# EAGLE board Mk4 Final a Panel score 2x5 (EAGLE 9.0.1), part 12 of 29 (continued)
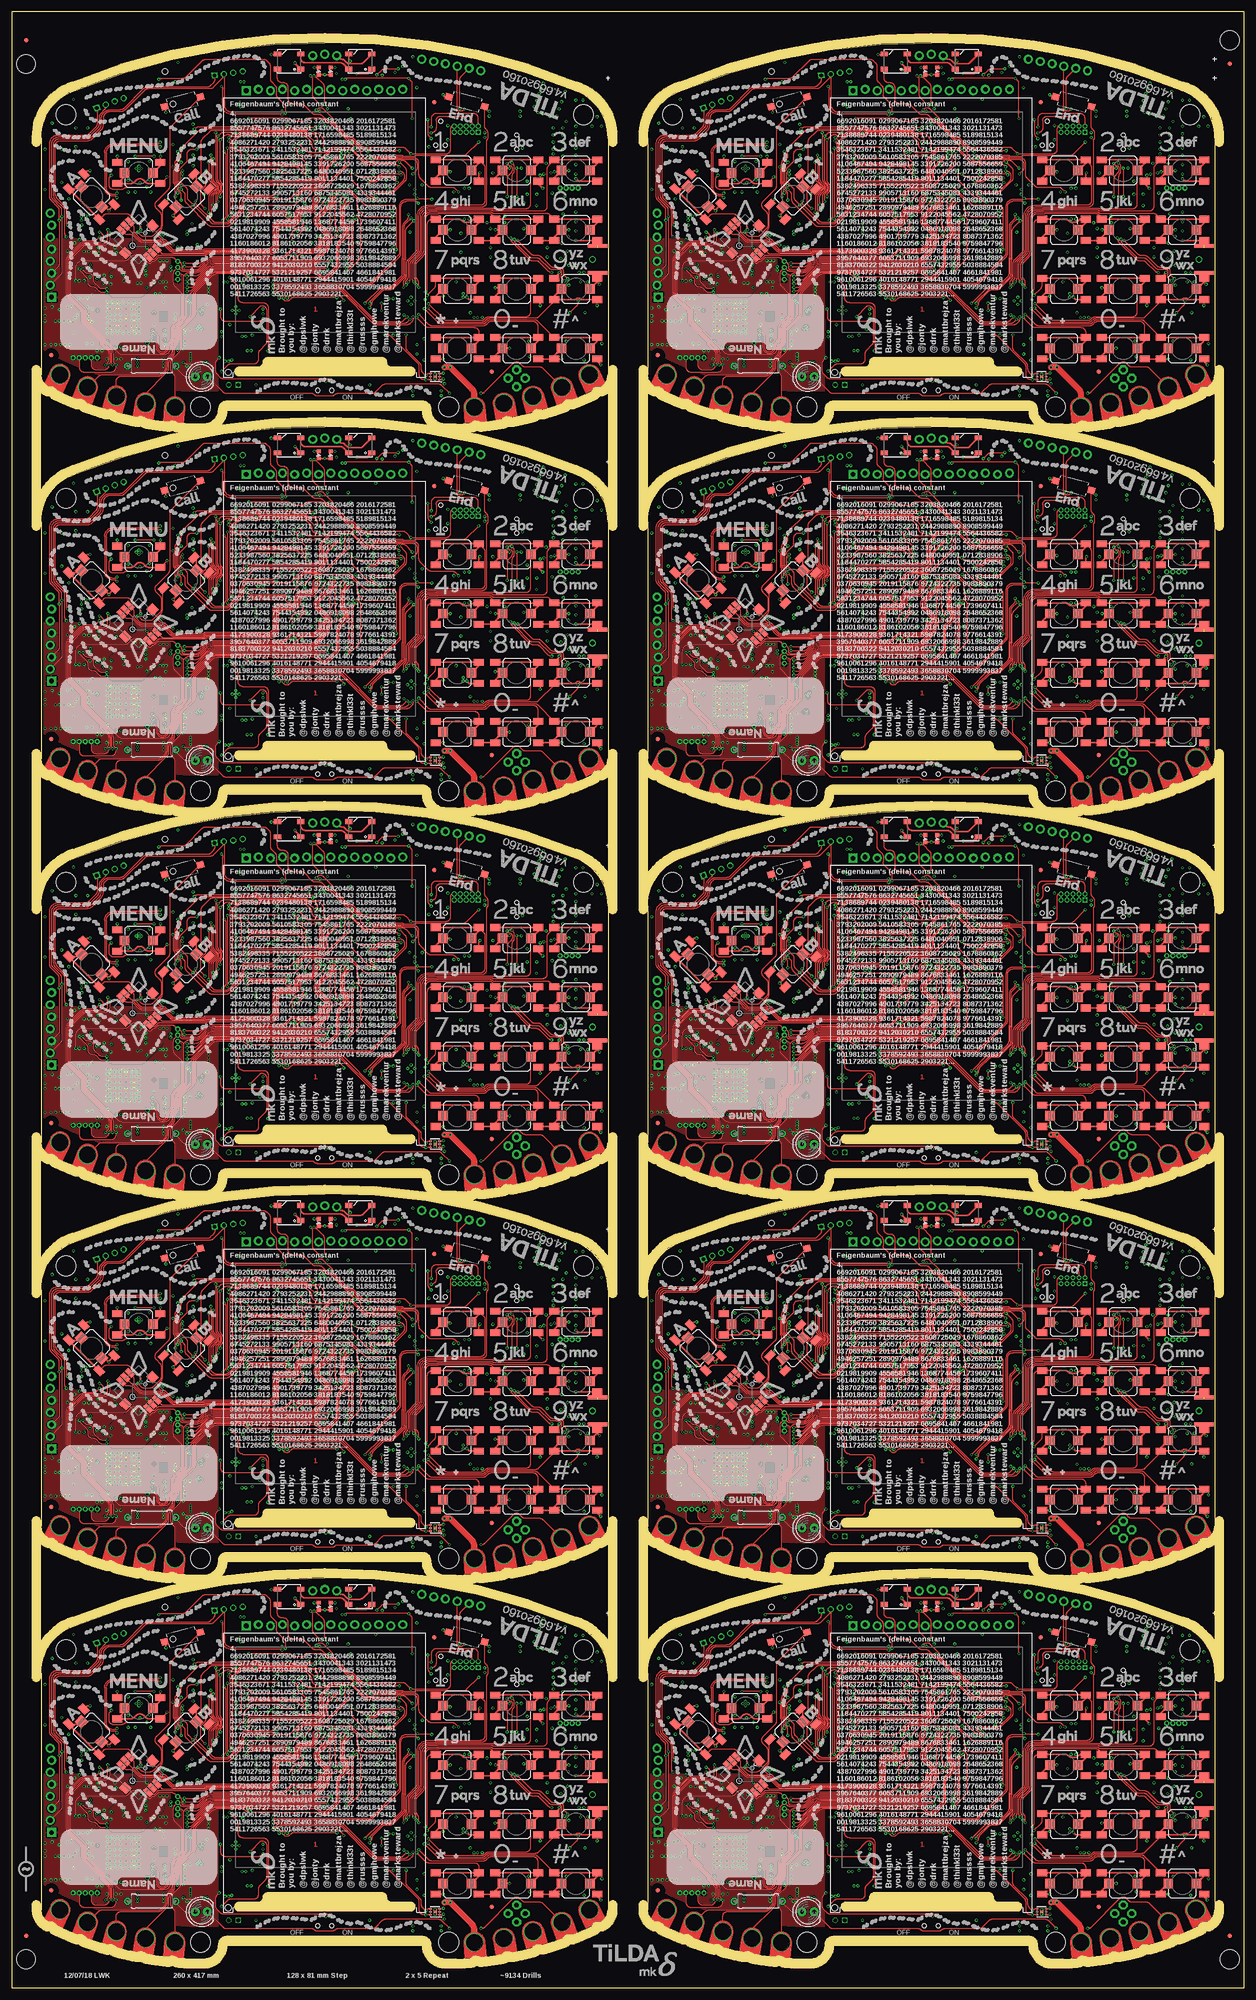
[diagram p0: board, top side]
## Tracks (layer width: path | path; a pad name or v marks a point on that pad's centre or on a via) (continued)
EN0TXO_P3
  Bottom 0.22: IC56.57 185.42,143.4 185.4,143.38 183.25,143.38 arc-90 182.24,144.4 182.24,144.9 182.24,145 182.24,145.08 182.24,151.45 arc-90 184.6,153.81 190.76,153.81 arc45 191.47,154.11 192.68,155.32 arc-45 193.39,155.62 200.21,155.62 arc-45 200.92,155.32 201.88,154.36 arc45 202.59,154.06 205.15,154.06 arc90 206.88,155.8 206.88,156.29 JP30.13
EN0TXO_P4
  Bottom 0.22: IC74.57 57.41,224.4 57.4,224.38 55.25,224.38 arc-90 54.23,225.4 54.23,225.9 54.23,226 54.23,226.08 54.23,232.45 arc-90 56.6,234.81 62.76,234.81 arc45 63.47,235.11 64.68,236.32 arc-45 65.39,236.62 72.21,236.62 arc-45 72.92,236.32 73.88,235.36 arc45 74.59,235.06 77.15,235.06 arc90 78.89,236.8 78.89,237.29 JP39.13
EN0TXO_P5
  Bottom 0.22: IC92.57 185.42,224.4 185.4,224.38 183.25,224.38 arc-90 182.24,225.4 182.24,225.9 182.24,226 182.24,226.08 182.24,232.45 arc-90 184.6,234.81 190.76,234.81 arc45 191.47,235.11 192.68,236.32 arc-45 193.39,236.62 200.21,236.62 arc-45 200.92,236.32 201.88,235.36 arc45 202.59,235.06 205.15,235.06 arc90 206.88,236.8 206.88,237.29 JP48.13
EN0TXO_P6
  Bottom 0.22: IC110.57 57.41,305.4 57.4,305.38 55.25,305.38 arc-90 54.23,306.4 54.23,306.9 54.23,307 54.23,307.08 54.23,313.45 arc-90 56.6,315.81 62.76,315.81 arc45 63.47,316.11 64.68,317.32 arc-45 65.39,317.62 72.21,317.62 arc-45 72.92,317.32 73.88,316.36 arc45 74.59,316.06 77.15,316.06 arc90 78.89,317.8 78.89,318.29 JP57.13
EN0TXO_P7
  Bottom 0.22: IC128.57 185.42,305.4 185.4,305.38 183.25,305.38 arc-90 182.24,306.4 182.24,306.9 182.24,307 182.24,307.08 182.24,313.45 arc-90 184.6,315.81 190.76,315.81 arc45 191.47,316.11 192.68,317.32 arc-45 193.39,317.62 200.21,317.62 arc-45 200.92,317.32 201.88,316.36 arc45 202.59,316.06 205.15,316.06 arc90 206.88,317.8 206.88,318.29 JP66.13
EN0TXO_P8
  Bottom 0.22: IC146.57 57.41,386.4 57.4,386.38 55.25,386.38 arc-90 54.23,387.4 54.23,387.9 54.23,388 54.23,388.08 54.23,394.45 arc-90 56.6,396.81 62.76,396.81 arc45 63.47,397.11 64.68,398.32 arc-45 65.39,398.62 72.21,398.62 arc-45 72.92,398.32 73.88,397.36 arc45 74.59,397.06 77.15,397.06 arc90 78.89,398.8 78.89,399.29 JP75.13
EN0TXO_P9
  Bottom 0.22: IC164.57 185.42,386.4 185.4,386.38 183.25,386.38 arc-90 182.24,387.4 182.24,387.9 182.24,388 182.24,388.08 182.24,394.45 arc-90 184.6,396.81 190.76,396.81 arc45 191.47,397.11 192.68,398.32 arc-45 193.39,398.62 200.21,398.62 arc-45 200.92,398.32 201.88,397.36 arc45 202.59,397.06 205.15,397.06 arc90 206.88,398.8 206.88,399.29 JP84.13
ETHLED0
  Bottom 0.15: R1.2 50.5,72.51 arc45 50.79,71.81 51.51,71.09 arc-45 51.8,70.39 51.8,67.94 51.89,67.85 arc-90 51.89,67.15 51.8,67.06 51.8,63.19 51.89,63.1 arc-90 51.89,62.4 51.8,62.31 51.8,60.11 arc45 52.09,59.41 52.61,58.89 arc-45 52.9,58.19 52.9,57.4 arc90 53.9,56.4 IC1.42
ETHLED0_R
  Bottom 0.15: R1.1 arc-90 51.5,75 53.09,75 arc45 53.79,75.29 54.57,76.07 JP7.3
ETHLED0_R1
  Bottom 0.15: R85.1 arc-90 179.5,75 181.09,75 arc45 181.79,75.29 182.57,76.07 JP12.3
ETHLED0_R2
  Bottom 0.15: R163.1 arc-90 51.5,156 53.09,156 arc45 53.79,156.29 54.57,157.07 JP21.3
ETHLED0_R3
  Bottom 0.15: R241.1 arc-90 179.5,156 181.09,156 arc45 181.79,156.29 182.57,157.07 JP30.3
ETHLED0_R4
  Bottom 0.15: R319.1 arc-90 51.5,237 53.09,237 arc45 53.79,237.29 54.57,238.07 JP39.3
ETHLED0_R5
  Bottom 0.15: R397.1 arc-90 179.5,237 181.09,237 arc45 181.79,237.29 182.57,238.07 JP48.3
ETHLED0_R6
  Bottom 0.15: R475.1 arc-90 51.5,318 53.09,318 arc45 53.79,318.29 54.57,319.07 JP57.3
ETHLED0_R7
  Bottom 0.15: R553.1 arc-90 179.5,318 181.09,318 arc45 181.79,318.29 182.57,319.07 JP66.3
ETHLED0_R8
  Bottom 0.15: R631.1 arc-90 51.5,399 53.09,399 arc45 53.79,399.29 54.57,400.07 JP75.3
ETHLED0_R9
  Bottom 0.15: R709.1 arc-90 179.5,399 181.09,399 arc45 181.79,399.29 182.57,400.07 JP84.3
ETHLED1
  Bottom 0.15: R2.2 51.5,72.01 arc45 51.79,71.31 51.81,71.29 arc-45 52.1,70.59 52.1,68.07 52.14,68.03 arc-90 52.14,66.97 52.1,66.93 52.1,63.32 52.14,63.28 arc-90 52.14,62.22 52.1,62.18 52.1,60.31 arc45 52.39,59.61 53.01,58.99 arc-45 53.3,58.29 53.3,57.8 arc90 54.3,56.8 IC1.43
ETHLED1_R
  Bottom 0.15: R2.1 51.5,74.2 arc-90 52,74.7 53.42,74.7 arc45 53.77,74.85 53.78,74.85 arc-45 54.13,75 58.09,75 arc45 58.79,75.29 59.65,76.15 JP7.5
ETHLED1_R1
  Bottom 0.15: R86.1 179.5,74.2 arc-90 180,74.7 181.42,74.7 arc45 181.77,74.85 181.78,74.85 arc-45 182.13,75 186.09,75 arc45 186.79,75.29 187.65,76.15 JP12.5
ETHLED1_R2
  Bottom 0.15: R164.1 51.5,155.2 arc-90 52,155.7 53.42,155.7 arc45 53.77,155.85 53.78,155.85 arc-45 54.13,156 58.09,156 arc45 58.79,156.29 59.65,157.15 JP21.5
ETHLED1_R3
  Bottom 0.15: R242.1 179.5,155.2 arc-90 180,155.7 181.42,155.7 arc45 181.77,155.85 181.78,155.85 arc-45 182.13,156 186.09,156 arc45 186.79,156.29 187.65,157.15 JP30.5
ETHLED1_R4
  Bottom 0.15: R320.1 51.5,236.2 arc-90 52,236.7 53.42,236.7 arc45 53.77,236.85 53.78,236.85 arc-45 54.13,237 58.09,237 arc45 58.79,237.29 59.65,238.15 JP39.5
ETHLED1_R5
  Bottom 0.15: R398.1 179.5,236.2 arc-90 180,236.7 181.42,236.7 arc45 181.77,236.85 181.78,236.85 arc-45 182.13,237 186.09,237 arc45 186.79,237.29 187.65,238.15 JP48.5
ETHLED1_R6
  Bottom 0.15: R476.1 51.5,317.2 arc-90 52,317.7 53.42,317.7 arc45 53.77,317.85 53.78,317.85 arc-45 54.13,318 58.09,318 arc45 58.79,318.29 59.65,319.15 JP57.5
ETHLED1_R7
  Bottom 0.15: R554.1 179.5,317.2 arc-90 180,317.7 181.42,317.7 arc45 181.77,317.85 181.78,317.85 arc-45 182.13,318 186.09,318 arc45 186.79,318.29 187.65,319.15 JP66.5
ETHLED1_R8
  Bottom 0.15: R632.1 51.5,398.2 arc-90 52,398.7 53.42,398.7 arc45 53.77,398.85 53.78,398.85 arc-45 54.13,399 58.09,399 arc45 58.79,399.29 59.65,400.15 JP75.5
ETHLED1_R9
  Bottom 0.15: R710.1 179.5,398.2 arc-90 180,398.7 181.42,398.7 arc45 181.77,398.85 181.78,398.85 arc-45 182.13,399 186.09,399 arc45 186.79,399.29 187.65,400.15 JP84.5
ETHLED2
  Bottom 0.15: R85.2 178.5,72.51 arc45 178.79,71.81 179.51,71.09 arc-45 179.8,70.39 179.8,67.94 179.89,67.85 arc-90 179.89,67.15 179.8,67.06 179.8,63.19 179.89,63.1 arc-90 179.89,62.4 179.8,62.31 179.8,60.11 arc45 180.09,59.41 180.61,58.89 arc-45 180.9,58.19 180.9,57.4 arc90 181.9,56.4 IC20.42
ETHLED3
  Bottom 0.15: R86.2 179.5,72.01 arc45 179.79,71.31 179.81,71.29 arc-45 180.1,70.59 180.1,68.07 180.14,68.03 arc-90 180.14,66.97 180.1,66.93 180.1,63.32 180.14,63.28 arc-90 180.14,62.22 180.1,62.18 180.1,60.31 arc45 180.39,59.61 181.01,58.99 arc-45 181.3,58.29 181.3,57.8 arc90 182.3,56.8 IC20.43
ETHLED4
  Bottom 0.15: R163.2 50.5,153.51 arc45 50.79,152.81 51.51,152.09 arc-45 51.8,151.39 51.8,148.94 51.89,148.85 arc-90 51.89,148.15 51.8,148.06 51.8,144.19 51.89,144.1 arc-90 51.89,143.4 51.8,143.31 51.8,141.11 arc45 52.09,140.41 52.61,139.89 arc-45 52.9,139.19 52.9,138.4 arc90 53.9,137.4 IC38.42
ETHLED5
  Bottom 0.15: R164.2 51.5,153.01 arc45 51.79,152.31 51.81,152.29 arc-45 52.1,151.59 52.1,149.07 52.14,149.03 arc-90 52.14,147.97 52.1,147.93 52.1,144.32 52.14,144.28 arc-90 52.14,143.22 52.1,143.18 52.1,141.31 arc45 52.39,140.61 53.01,139.99 arc-45 53.3,139.29 53.3,138.8 arc90 54.3,137.8 IC38.43
ETHLED6
  Bottom 0.15: R241.2 178.5,153.51 arc45 178.79,152.81 179.51,152.09 arc-45 179.8,151.39 179.8,148.94 179.89,148.85 arc-90 179.89,148.15 179.8,148.06 179.8,144.19 179.89,144.1 arc-90 179.89,143.4 179.8,143.31 179.8,141.11 arc45 180.09,140.41 180.61,139.89 arc-45 180.9,139.19 180.9,138.4 arc90 181.9,137.4 IC56.42
ETHLED7
  Bottom 0.15: R242.2 179.5,153.01 arc45 179.79,152.31 179.81,152.29 arc-45 180.1,151.59 180.1,149.07 180.14,149.03 arc-90 180.14,147.97 180.1,147.93 180.1,144.32 180.14,144.28 arc-90 180.14,143.22 180.1,143.18 180.1,141.31 arc45 180.39,140.61 181.01,139.99 arc-45 181.3,139.29 181.3,138.8 arc90 182.3,137.8 IC56.43
ETHLED8
  Bottom 0.15: R319.2 50.5,234.51 arc45 50.79,233.81 51.51,233.09 arc-45 51.8,232.39 51.8,229.94 51.89,229.85 arc-90 51.89,229.15 51.8,229.06 51.8,225.19 51.89,225.1 arc-90 51.89,224.4 51.8,224.31 51.8,222.11 arc45 52.09,221.41 52.61,220.89 arc-45 52.9,220.19 52.9,219.4 arc90 53.9,218.4 IC74.42
ETHLED9
  Bottom 0.15: R320.2 51.5,234.01 arc45 51.79,233.31 51.81,233.29 arc-45 52.1,232.59 52.1,230.07 52.14,230.03 arc-90 52.14,228.97 52.1,228.93 52.1,225.32 52.14,225.28 arc-90 52.14,224.22 52.1,224.18 52.1,222.31 arc45 52.39,221.61 53.01,220.99 arc-45 53.3,220.29 53.3,219.8 arc90 54.3,218.8 IC74.43
ETHLED10
  Bottom 0.15: R397.2 178.5,234.51 arc45 178.79,233.81 179.51,233.09 arc-45 179.8,232.39 179.8,229.94 179.89,229.85 arc-90 179.89,229.15 179.8,229.06 179.8,225.19 179.89,225.1 arc-90 179.89,224.4 179.8,224.31 179.8,222.11 arc45 180.09,221.41 180.61,220.89 arc-45 180.9,220.19 180.9,219.4 arc90 181.9,218.4 IC92.42
ETHLED11
  Bottom 0.15: R398.2 179.5,234.01 arc45 179.79,233.31 179.81,233.29 arc-45 180.1,232.59 180.1,230.07 180.14,230.03 arc-90 180.14,228.97 180.1,228.93 180.1,225.32 180.14,225.28 arc-90 180.14,224.22 180.1,224.18 180.1,222.31 arc45 180.39,221.61 181.01,220.99 arc-45 181.3,220.29 181.3,219.8 arc90 182.3,218.8 IC92.43
ETHLED12
  Bottom 0.15: R475.2 50.5,315.51 arc45 50.79,314.81 51.51,314.09 arc-45 51.8,313.39 51.8,310.94 51.89,310.85 arc-90 51.89,310.15 51.8,310.06 51.8,306.19 51.89,306.1 arc-90 51.89,305.4 51.8,305.31 51.8,303.11 arc45 52.09,302.41 52.61,301.89 arc-45 52.9,301.19 52.9,300.4 arc90 53.9,299.4 IC110.42
ETHLED13
  Bottom 0.15: R476.2 51.5,315.01 arc45 51.79,314.31 51.81,314.29 arc-45 52.1,313.59 52.1,311.07 52.14,311.03 arc-90 52.14,309.97 52.1,309.93 52.1,306.32 52.14,306.28 arc-90 52.14,305.22 52.1,305.18 52.1,303.31 arc45 52.39,302.61 53.01,301.99 arc-45 53.3,301.29 53.3,300.8 arc90 54.3,299.8 IC110.43
ETHLED14
  Bottom 0.15: R553.2 178.5,315.51 arc45 178.79,314.81 179.51,314.09 arc-45 179.8,313.39 179.8,310.94 179.89,310.85 arc-90 179.89,310.15 179.8,310.06 179.8,306.19 179.89,306.1 arc-90 179.89,305.4 179.8,305.31 179.8,303.11 arc45 180.09,302.41 180.61,301.89 arc-45 180.9,301.19 180.9,300.4 arc90 181.9,299.4 IC128.42
ETHLED15
  Bottom 0.15: R554.2 179.5,315.01 arc45 179.79,314.31 179.81,314.29 arc-45 180.1,313.59 180.1,311.07 180.14,311.03 arc-90 180.14,309.97 180.1,309.93 180.1,306.32 180.14,306.28 arc-90 180.14,305.22 180.1,305.18 180.1,303.31 arc45 180.39,302.61 181.01,301.99 arc-45 181.3,301.29 181.3,300.8 arc90 182.3,299.8 IC128.43
ETHLED16
  Bottom 0.15: R631.2 50.5,396.51 arc45 50.79,395.81 51.51,395.09 arc-45 51.8,394.39 51.8,391.94 51.89,391.85 arc-90 51.89,391.15 51.8,391.06 51.8,387.19 51.89,387.1 arc-90 51.89,386.4 51.8,386.31 51.8,384.11 arc45 52.09,383.41 52.61,382.89 arc-45 52.9,382.19 52.9,381.4 arc90 53.9,380.4 IC146.42
ETHLED17
  Bottom 0.15: R632.2 51.5,396.01 arc45 51.79,395.31 51.81,395.29 arc-45 52.1,394.59 52.1,392.07 52.14,392.03 arc-90 52.14,390.97 52.1,390.93 52.1,387.32 52.14,387.28 arc-90 52.14,386.22 52.1,386.18 52.1,384.31 arc45 52.39,383.61 53.01,382.99 arc-45 53.3,382.29 53.3,381.8 arc90 54.3,380.8 IC146.43
ETHLED18
  Bottom 0.15: R709.2 178.5,396.51 arc45 178.79,395.81 179.51,395.09 arc-45 179.8,394.39 179.8,391.94 179.89,391.85 arc-90 179.89,391.15 179.8,391.06 179.8,387.19 179.89,387.1 arc-90 179.89,386.4 179.8,386.31 179.8,384.11 arc45 180.09,383.41 180.61,382.89 arc-45 180.9,382.19 180.9,381.4 arc90 181.9,380.4 IC164.42
ETHLED19
  Bottom 0.15: R710.2 179.5,396.01 arc45 179.79,395.31 179.81,395.29 arc-45 180.1,394.59 180.1,392.07 180.14,392.03 arc-90 180.14,390.97 180.1,390.93 180.1,387.32 180.14,387.28 arc-90 180.14,386.22 180.1,386.18 180.1,384.31 arc45 180.39,383.61 181.01,382.99 arc-45 181.3,382.29 181.3,381.8 arc90 182.3,380.8 IC164.43
FET
  Bottom 0.15: IC1.110 74.78,60 arc45 74.85,60.03 75.09,60.27 arc-45 75.17,60.3 77.58,60.3 arc-90 79.58,58.3 79.58,56.38 arc45 79.72,56.02 79.88,55.86 arc-45 80.03,55.51 80.03,55.25 arc45 80.32,54.54 89.23,45.63 arc-45 89.5,44.98 89.5,44
  Bottom 0.2: R59.1 109.41,19.25 arc-45 108.71,19.54 100.79,27.46 arc45 100.09,27.75 95.11,27.75 arc-45 94.41,28.04 89.79,32.66 arc-45 89.5,33.36 89.5,44
  Bottom 0.3: Q2.1 110.92,19.25 R59.1
FET1
  Bottom 0.15: IC20.110 202.78,60 arc45 202.85,60.03 203.09,60.27 arc-45 203.17,60.3 205.57,60.3 arc-90 207.57,58.3 207.57,56.38 arc45 207.72,56.02 207.88,55.86 arc-45 208.03,55.51 208.03,55.25 arc45 208.32,54.54 217.23,45.63 arc-45 217.5,44.98 217.5,44
  Bottom 0.2: R137.1 237.41,19.25 arc-45 236.71,19.54 228.79,27.46 arc45 228.09,27.75 223.11,27.75 arc-45 222.41,28.04 217.79,32.66 arc-45 217.5,33.36 217.5,44
  Bottom 0.3: Q5.1 238.93,19.25 R137.1
FET2
  Bottom 0.15: IC38.110 74.78,141 arc45 74.85,141.03 75.09,141.27 arc-45 75.17,141.3 77.58,141.3 arc-90 79.58,139.3 79.58,137.38 arc45 79.72,137.02 79.88,136.86 arc-45 80.03,136.51 80.03,136.25 arc45 80.32,135.54 89.23,126.63 arc-45 89.5,125.98 89.5,125
  Bottom 0.2: R215.1 109.41,100.25 arc-45 108.71,100.54 100.79,108.46 arc45 100.09,108.75 95.11,108.75 arc-45 94.41,109.04 89.79,113.66 arc-45 89.5,114.36 89.5,125
  Bottom 0.3: Q10.1 110.92,100.25 R215.1
FET3
  Bottom 0.15: IC56.110 202.78,141 arc45 202.85,141.03 203.09,141.27 arc-45 203.17,141.3 205.57,141.3 arc-90 207.57,139.3 207.57,137.38 arc45 207.72,137.02 207.88,136.86 arc-45 208.03,136.51 208.03,136.25 arc45 208.32,135.54 217.23,126.63 arc-45 217.5,125.98 217.5,125
  Bottom 0.2: R293.1 237.41,100.25 arc-45 236.71,100.54 228.79,108.46 arc45 228.09,108.75 223.11,108.75 arc-45 222.41,109.04 217.79,113.66 arc-45 217.5,114.36 217.5,125
  Bottom 0.3: Q14.1 238.93,100.25 R293.1
FET4
  Bottom 0.15: IC74.110 74.78,222 arc45 74.85,222.03 75.09,222.27 arc-45 75.17,222.3 77.58,222.3 arc-90 79.58,220.3 79.58,218.38 arc45 79.72,218.02 79.88,217.86 arc-45 80.03,217.51 80.03,217.25 arc45 80.32,216.54 89.23,207.63 arc-45 89.5,206.98 89.5,206
  Bottom 0.2: R371.1 109.41,181.25 arc-45 108.71,181.54 100.79,189.46 arc45 100.09,189.75 95.11,189.75 arc-45 94.41,190.04 89.79,194.66 arc-45 89.5,195.36 89.5,206
  Bottom 0.3: Q18.1 110.92,181.25 R371.1
FET5
  Bottom 0.15: IC92.110 202.78,222 arc45 202.85,222.03 203.09,222.27 arc-45 203.17,222.3 205.57,222.3 arc-90 207.57,220.3 207.57,218.38 arc45 207.72,218.02 207.88,217.86 arc-45 208.03,217.51 208.03,217.25 arc45 208.32,216.54 217.23,207.63 arc-45 217.5,206.98 217.5,206
  Bottom 0.2: R449.1 237.41,181.25 arc-45 236.71,181.54 228.79,189.46 arc45 228.09,189.75 223.11,189.75 arc-45 222.41,190.04 217.79,194.66 arc-45 217.5,195.36 217.5,206
  Bottom 0.3: Q22.1 238.93,181.25 R449.1
FET6
  Bottom 0.15: IC110.110 74.78,303 arc45 74.85,303.03 75.09,303.27 arc-45 75.17,303.3 77.58,303.3 arc-90 79.58,301.3 79.58,299.38 arc45 79.72,299.02 79.88,298.86 arc-45 80.03,298.51 80.03,298.25 arc45 80.32,297.54 89.23,288.63 arc-45 89.5,287.98 89.5,287
  Bottom 0.2: R527.1 109.41,262.25 arc-45 108.71,262.54 100.79,270.46 arc45 100.09,270.75 95.11,270.75 arc-45 94.41,271.04 89.79,275.66 arc-45 89.5,276.36 89.5,287
  Bottom 0.3: Q26.1 110.92,262.25 R527.1
FET7
  Bottom 0.15: IC128.110 202.78,303 arc45 202.85,303.03 203.09,303.27 arc-45 203.17,303.3 205.57,303.3 arc-90 207.57,301.3 207.57,299.38 arc45 207.72,299.02 207.88,298.86 arc-45 208.03,298.51 208.03,298.25 arc45 208.32,297.54 217.23,288.63 arc-45 217.5,287.98 217.5,287
  Bottom 0.2: R605.1 237.41,262.25 arc-45 236.71,262.54 228.79,270.46 arc45 228.09,270.75 223.11,270.75 arc-45 222.41,271.04 217.79,275.66 arc-45 217.5,276.36 217.5,287
  Bottom 0.3: Q30.1 238.93,262.25 R605.1
FET8
  Bottom 0.15: IC146.110 74.78,384 arc45 74.85,384.03 75.09,384.27 arc-45 75.17,384.3 77.58,384.3 arc-90 79.58,382.3 79.58,380.38 arc45 79.72,380.02 79.88,379.86 arc-45 80.03,379.51 80.03,379.25 arc45 80.32,378.54 89.23,369.63 arc-45 89.5,368.98 89.5,368
  Bottom 0.2: R683.1 109.41,343.25 arc-45 108.71,343.54 100.79,351.46 arc45 100.09,351.75 95.11,351.75 arc-45 94.41,352.04 89.79,356.66 arc-45 89.5,357.36 89.5,368
  Bottom 0.3: Q34.1 110.92,343.25 R683.1
FET9
  Bottom 0.15: IC164.110 202.78,384 arc45 202.85,384.03 203.09,384.27 arc-45 203.17,384.3 205.57,384.3 arc-90 207.57,382.3 207.57,380.38 arc45 207.72,380.02 207.88,379.86 arc-45 208.03,379.51 208.03,379.25 arc45 208.32,378.54 217.23,369.63 arc-45 217.5,368.98 217.5,368
  Bottom 0.2: R761.1 237.41,343.25 arc-45 236.71,343.54 228.79,351.46 arc45 228.09,351.75 223.11,351.75 arc-45 222.41,352.04 217.79,356.66 arc-45 217.5,357.36 217.5,368
  Bottom 0.3: Q38.1 238.93,343.25 R761.1
FET_OUT  (via drill 0.3)
  Top 0.25: LED5.K 44.45,12.82 arc45 45.16,12.53 63.1,12.53 arc-45 63.81,12.23 arc45 64.37,12 67.66,12 arc45 68.16,12.21 arc-45 68.87,12.5 76.09,12.5 arc45 76.79,12.79 78.21,14.21 arc-45 78.91,14.5 89.94,14.5 arc-45 90.64,14.21 v92.35,12.5 | v99,12.5 99.09,12.5 arc45 99.79,12.79 105.5,18.5 105.71,18.71 105.79,18.79 arc-90 107.21,18.79 107.71,18.29 arc45 108.41,18 111.4,18 arc-45 112.11,17.71 PCB.FET
  Bottom 0.25: v92.35,12.5 v99,12.5
  Bottom 0.4: Q2.3 112.92,17.3 arc45 113.22,16.59 114.91,14.91
  Bottom 0.5: 114.91,14.91 PCB.FET
FET_OUT1  (via drill 0.3)
  Top 0.25: LED11.K 172.45,12.82 arc45 173.16,12.53 191.11,12.53 arc-45 191.81,12.23 arc45 192.37,12 195.66,12 arc45 196.16,12.21 arc-45 196.87,12.5 204.09,12.5 arc45 204.79,12.79 206.21,14.21 arc-45 206.91,14.5 217.94,14.5 arc-45 218.64,14.21 v220.35,12.5 | v227,12.5 227.09,12.5 arc45 227.79,12.79 233.5,18.5 233.71,18.71 233.79,18.79 arc-90 235.21,18.79 235.71,18.29 arc45 236.41,18 239.4,18 arc-45 240.11,17.71 PCB1.FET
  Bottom 0.25: v220.35,12.5 v227,12.5
  Bottom 0.4: Q5.3 240.93,17.3 arc45 241.22,16.59 242.91,14.91
  Bottom 0.5: 242.91,14.91 PCB1.FET
FET_OUT2  (via drill 0.3)
  Top 0.25: LED17.K 44.45,93.82 arc45 45.16,93.53 63.1,93.53 arc-45 63.81,93.23 arc45 64.37,93 67.66,93 arc45 68.16,93.21 arc-45 68.87,93.5 76.09,93.5 arc45 76.79,93.79 78.21,95.21 arc-45 78.91,95.5 89.94,95.5 arc-45 90.64,95.21 v92.35,93.5 | v99,93.5 99.09,93.5 arc45 99.79,93.79 105.5,99.5 105.71,99.71 105.79,99.79 arc-90 107.21,99.79 107.71,99.29 arc45 108.41,99 111.4,99 arc-45 112.11,98.71 PCB2.FET
  Bottom 0.25: v92.35,93.5 v99,93.5
  Bottom 0.4: Q10.3 112.92,98.3 arc45 113.22,97.59 114.91,95.91
  Bottom 0.5: 114.91,95.91 PCB2.FET
FET_OUT3  (via drill 0.3)
  Top 0.25: LED23.K 172.45,93.82 arc45 173.16,93.53 191.11,93.53 arc-45 191.81,93.23 arc45 192.37,93 195.66,93 arc45 196.16,93.21 arc-45 196.87,93.5 204.09,93.5 arc45 204.79,93.79 206.21,95.21 arc-45 206.91,95.5 217.94,95.5 arc-45 218.64,95.21 v220.35,93.5 | v227,93.5 227.09,93.5 arc45 227.79,93.79 233.5,99.5 233.71,99.71 233.79,99.79 arc-90 235.21,99.79 235.71,99.29 arc45 236.41,99 239.4,99 arc-45 240.11,98.71 PCB3.FET
  Bottom 0.25: v220.35,93.5 v227,93.5
  Bottom 0.4: Q14.3 240.93,98.3 arc45 241.22,97.59 242.91,95.91
  Bottom 0.5: 242.91,95.91 PCB3.FET
FET_OUT4  (via drill 0.3)
  Top 0.25: LED29.K 44.45,174.82 arc45 45.16,174.53 63.1,174.53 arc-45 63.81,174.23 arc45 64.37,174 67.66,174 arc45 68.16,174.21 arc-45 68.87,174.5 76.09,174.5 arc45 76.79,174.79 78.21,176.21 arc-45 78.91,176.5 89.94,176.5 arc-45 90.64,176.21 v92.35,174.5 | v99,174.5 99.09,174.5 arc45 99.79,174.79 105.5,180.5 105.71,180.71 105.79,180.79 arc-90 107.21,180.79 107.71,180.29 arc45 108.41,180 111.4,180 arc-45 112.11,179.71 PCB4.FET
  Bottom 0.25: v92.35,174.5 v99,174.5
  Bottom 0.4: Q18.3 112.92,179.3 arc45 113.22,178.59 114.91,176.91
  Bottom 0.5: 114.91,176.91 PCB4.FET
FET_OUT5  (via drill 0.3)
  Top 0.25: LED35.K 172.45,174.82 arc45 173.16,174.53 191.11,174.53 arc-45 191.81,174.23 arc45 192.37,174 195.66,174 arc45 196.16,174.21 arc-45 196.87,174.5 204.09,174.5 arc45 204.79,174.79 206.21,176.21 arc-45 206.91,176.5 217.94,176.5 arc-45 218.64,176.21 v220.35,174.5 | v227,174.5 227.09,174.5 arc45 227.79,174.79 233.5,180.5 233.71,180.71 233.79,180.79 arc-90 235.21,180.79 235.71,180.29 arc45 236.41,180 239.4,180 arc-45 240.11,179.71 PCB5.FET
  Bottom 0.25: v220.35,174.5 v227,174.5
  Bottom 0.4: Q22.3 240.93,179.3 arc45 241.22,178.59 242.91,176.91
  Bottom 0.5: 242.91,176.91 PCB5.FET
FET_OUT6  (via drill 0.3)
  Top 0.25: LED41.K 44.45,255.82 arc45 45.16,255.53 63.1,255.53 arc-45 63.81,255.23 arc45 64.37,255 67.66,255 arc45 68.16,255.21 arc-45 68.87,255.5 76.09,255.5 arc45 76.79,255.79 78.21,257.21 arc-45 78.91,257.5 89.94,257.5 arc-45 90.64,257.21 v92.35,255.5 | v99,255.5 99.09,255.5 arc45 99.79,255.79 105.5,261.5 105.71,261.71 105.79,261.79 arc-90 107.21,261.79 107.71,261.29 arc45 108.41,261 111.4,261 arc-45 112.11,260.71 PCB6.FET
  Bottom 0.25: v92.35,255.5 v99,255.5
  Bottom 0.4: Q26.3 112.92,260.3 arc45 113.22,259.6 114.91,257.91
  Bottom 0.5: 114.91,257.91 PCB6.FET
FET_OUT7  (via drill 0.3)
  Top 0.25: LED47.K 172.45,255.82 arc45 173.16,255.53 191.11,255.53 arc-45 191.81,255.23 arc45 192.37,255 195.66,255 arc45 196.16,255.21 arc-45 196.87,255.5 204.09,255.5 arc45 204.79,255.79 206.21,257.21 arc-45 206.91,257.5 217.94,257.5 arc-45 218.64,257.21 v220.35,255.5 | v227,255.5 227.09,255.5 arc45 227.79,255.79 233.5,261.5 233.71,261.71 233.79,261.79 arc-90 235.21,261.79 235.71,261.29 arc45 236.41,261 239.4,261 arc-45 240.11,260.71 PCB7.FET
  Bottom 0.25: v220.35,255.5 v227,255.5
  Bottom 0.4: Q30.3 240.93,260.3 arc45 241.22,259.6 242.91,257.91
  Bottom 0.5: 242.91,257.91 PCB7.FET
FET_OUT8  (via drill 0.3)
  Top 0.25: LED53.K 44.45,336.82 arc45 45.16,336.52 63.1,336.52 arc-45 63.81,336.23 arc45 64.37,336 67.66,336 arc45 68.16,336.21 arc-45 68.87,336.5 76.09,336.5 arc45 76.79,336.79 78.21,338.21 arc-45 78.91,338.5 89.94,338.5 arc-45 90.64,338.21 v92.35,336.5 | v99,336.5 99.09,336.5 arc45 99.79,336.79 105.5,342.5 105.71,342.71 105.79,342.79 arc-90 107.21,342.79 107.71,342.29 arc45 108.41,342 111.4,342 arc-45 112.11,341.71 PCB8.FET
  Bottom 0.25: v92.35,336.5 v99,336.5
  Bottom 0.4: Q34.3 112.92,341.3 arc45 113.22,340.6 114.91,338.91
  Bottom 0.5: 114.91,338.91 PCB8.FET
FET_OUT9  (via drill 0.3)
  Top 0.25: LED59.K 172.45,336.82 arc45 173.16,336.52 191.11,336.52 arc-45 191.81,336.23 arc45 192.37,336 195.66,336 arc45 196.16,336.21 arc-45 196.87,336.5 204.09,336.5 arc45 204.79,336.79 206.21,338.21 arc-45 206.91,338.5 217.94,338.5 arc-45 218.64,338.21 v220.35,336.5 | v227,336.5 227.09,336.5 arc45 227.79,336.79 233.5,342.5 233.71,342.71 233.79,342.79 arc-90 235.21,342.79 235.71,342.29 arc45 236.41,342 239.4,342 arc-45 240.11,341.71 PCB9.FET
  Bottom 0.25: v220.35,336.5 v227,336.5
  Bottom 0.4: Q38.3 240.93,341.3 arc45 241.22,340.6 242.91,338.91
  Bottom 0.5: 242.91,338.91 PCB9.FET
FLASH_!CS  (via drill 0.3)
  Top 0.15: v19.75,18.5 20.23,18.98 arc45 20.52,19.69 20.52,20.73 arc45 20.23,21.44 18.9,22.77 arc-45 18.83,22.95 18.83,23.22 arc45 18.75,23.4 15.31,26.84 arc-45 14.8,28.07 14.8,29.29 arc45 14.51,29.99 12.01,32.49 arc-45 11.5,33.73 11.5,40.48 arc-45 12.01,41.71 14.46,44.16 arc-45 15.7,44.67 17.26,44.67 arc45 17.97,44.97 v18.5,45.5
  Bottom 0.15: JP1.3 15.48,18.5 arc90 16.48,17.5 18.34,17.5 arc45 19.04,17.79 v19.75,18.5 20.28,19.03 arc45 20.58,19.74 20.58,22.94 arc-45 20.63,23.08 20.72,23.16 arc45 20.77,23.3 20.77,23.66 20.75,23.68 IC15.14
  Bottom 0.2: R67.1 16.5,44.22 IC14.1 17.34,44.34 v18.5,45.5
FLASH_!CS1  (via drill 0.3)
  Top 0.15: v147.75,18.5 148.23,18.98 arc45 148.53,19.69 148.53,20.73 arc45 148.23,21.44 146.9,22.77 arc-45 146.82,22.95 146.82,23.22 arc45 146.75,23.4 143.31,26.84 arc-45 142.8,28.07 142.8,29.29 arc45 142.51,29.99 140.01,32.49 arc-45 139.5,33.73 139.5,40.48 arc-45 140.01,41.71 142.46,44.16 arc-45 143.7,44.67 145.26,44.67 arc45 145.97,44.97 v146.5,45.5
  Bottom 0.15: JP15.3 143.48,18.5 arc90 144.48,17.5 146.34,17.5 arc45 147.04,17.79 v147.75,18.5 148.28,19.03 arc45 148.57,19.74 148.57,22.94 arc-45 148.63,23.08 148.72,23.16 arc45 148.78,23.3 148.78,23.66 148.75,23.68 IC29.14
  Bottom 0.2: R145.1 144.5,44.22 IC30.1 145.34,44.34 v146.5,45.5
FLASH_!CS2  (via drill 0.3)
  Top 0.15: v19.75,99.5 20.23,99.98 arc45 20.52,100.69 20.52,101.73 arc45 20.23,102.44 18.9,103.78 arc-45 18.83,103.95 18.83,104.22 arc45 18.75,104.4 15.31,107.84 arc-45 14.8,109.08 14.8,110.29 arc45 14.51,110.99 12.01,113.49 arc-45 11.5,114.73 11.5,121.47 arc-45 12.01,122.71 14.46,125.16 arc-45 15.7,125.67 17.26,125.67 arc45 17.97,125.97 v18.5,126.5
  Bottom 0.15: JP24.3 15.48,99.5 arc90 16.48,98.5 18.34,98.5 arc45 19.04,98.79 v19.75,99.5 20.28,100.03 arc45 20.58,100.74 20.58,103.94 arc-45 20.63,104.08 20.72,104.16 arc45 20.77,104.3 20.77,104.66 20.75,104.68 IC47.14
  Bottom 0.2: R223.1 16.5,125.22 IC48.1 17.34,125.34 v18.5,126.5
FLASH_!CS3  (via drill 0.3)
  Top 0.15: v147.75,99.5 148.23,99.98 arc45 148.53,100.69 148.53,101.73 arc45 148.23,102.44 146.9,103.78 arc-45 146.82,103.95 146.82,104.22 arc45 146.75,104.4 143.31,107.84 arc-45 142.8,109.08 142.8,110.29 arc45 142.51,110.99 140.01,113.49 arc-45 139.5,114.73 139.5,121.47 arc-45 140.01,122.71 142.46,125.16 arc-45 143.7,125.67 145.26,125.67 arc45 145.97,125.97 v146.5,126.5
  Bottom 0.15: JP33.3 143.48,99.5 arc90 144.48,98.5 146.34,98.5 arc45 147.04,98.79 v147.75,99.5 148.28,100.03 arc45 148.57,100.74 148.57,103.94 arc-45 148.63,104.08 148.72,104.16 arc45 148.78,104.3 148.78,104.66 148.75,104.68 IC65.14
  Bottom 0.2: R301.1 144.5,125.22 IC66.1 145.34,125.34 v146.5,126.5
FLASH_!CS4  (via drill 0.3)